# KiCad board ulx4m_panel.kicad_pcb (continued)
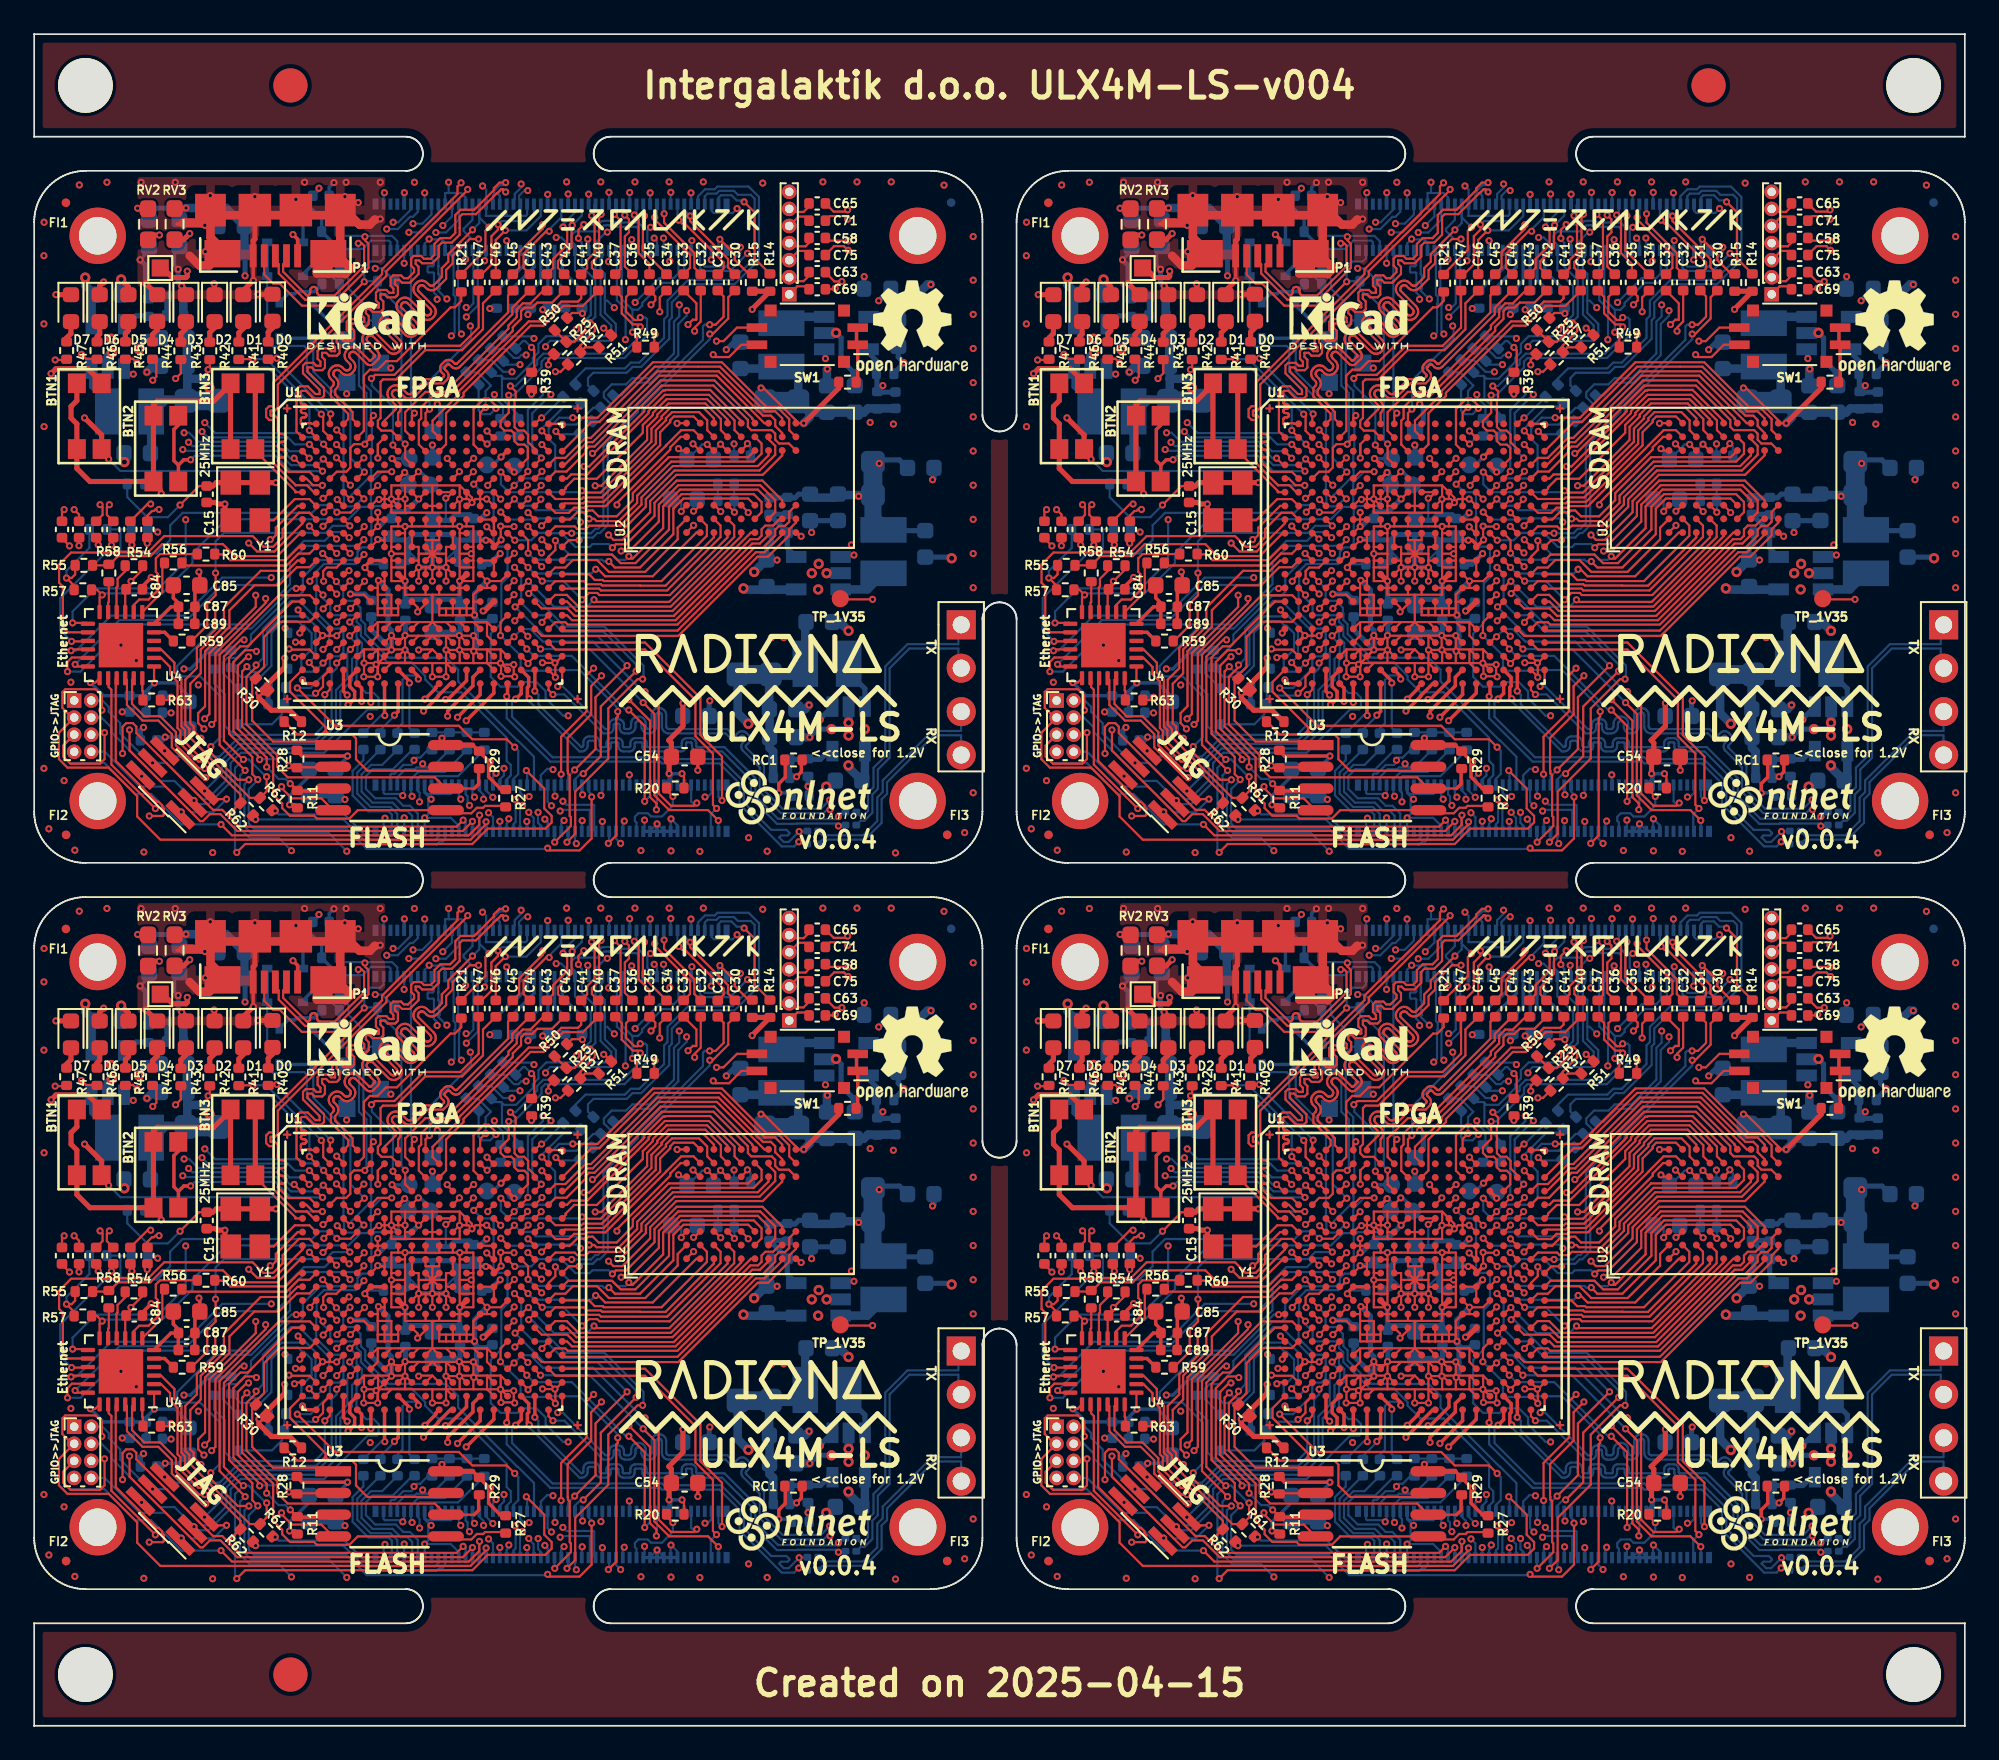
[diagram p0: board, top side]
## Routing (per net, layer and track width the routed paths; a pad name or vN(x,y) marks a point on that pad's centre or on a via; arc(x,y) is an arc through that point) (continued)
Board_1-/serdes/S_0_N: length 30.3
  Top w0.127: v1(61.26,69.12) 61.26,69.37 61.14,69.49 C67.1 61.19,69.54 61.33,69.4
  Top w0.2: U1#4.Y6 77.22,59.89 v1(77.22,59.89)
  In2signal.Cu w0.127: v1(77.22,59.89) 76.42,59.09 69.64,59.09 64.09,64.64 64.09,65.03 64.26,65.2 64.26,65.37 64.26,65.38 64.08,65.38 63.26,64.55 62.86,64.55 62.72,64.7 62.72,65.09 63.54,65.91 63.54,66.09 63.54,66.09 63.36,66.09 63.36,66.08 62.8,65.52 62.4,65.52 62.21,65.7 62.21,66.05 62.38,66.22 62.38,66.36 61.78,66.96 61.78,67.26 62.05,67.54 62.78,67.54 62.9,67.66 62.78,67.79 61.5,67.79 61.3,67.99 61.3,68.36 61.5,68.55 61.73,68.55 61.78,68.6 v1(61.26,69.12)
Board_1-/serdes/S_0_P: length 29
  Top w0.127: v1(62.03,69.11) 62.03,69.35 61.99,69.39 C61#2.2
  Top w0.2: U1#4.Y5 76.68,60.74 v1(76.68,59.96)
  In2signal.Cu w0.127: v1(76.68,59.96) 76.68,59.73 76.29,59.35 69.75,59.35 64.35,64.75 64.35,64.93 64.51,65.09 64.51,65.48 64.36,65.63 63.97,65.63 63.15,64.81 62.97,64.81 62.97,64.99 63.79,65.81 63.79,66.2 63.64,66.35 63.25,66.35 62.68,65.77 62.5,65.77 62.46,65.81 62.46,65.95 62.63,66.11 62.63,66.47 62.03,67.07 62.03,67.15 62.16,67.28 62.88,67.28 63.16,67.56 63.16,67.77 62.88,68.04 61.6,68.04 61.55,68.09 61.55,68.25 61.6,68.3 61.83,68.3 62.03,68.49 v1(62.03,69.11)
Board_1-/serdes/S_1_N: length 3.3
  Top w0.2: v1(78.6,59.15) 78.82,59.37 U1#4.Y8
  Bottom w0.127: v1(78.6,59.15) 78.6,59.11 77.78,58.29 C68#3.1
Board_1-/serdes/S_1_P: length 3.6
  Top w0.2: v1(78.04,59.13) 78.02,59.15 U1#4.Y7
  Bottom w0.127: v1(78.04,59.13) 77.81,59.13 C62#2.2
Board_1-/serdes/S_2_N: length 33.1
  Top w0.127: 63.11,69.26 63.14,69.29 C72.1 ; v1(63.23,69.12) 63.23,69.45 C72.1 ; C72.1 63.35,69.33
  Top w0.2: U1#4.W5 75.99,61.36 75.99,60.82 76.27,60.53 76.27,60.12 75.91,59.76 v1(75.88,59.76)
  In2signal.Cu w0.127: v1(63.23,69.12) 63.58,68.77 63.58,66.85 64.78,65.65 65.17,65.65 66.27,66.75 66.45,66.75 66.45,66.57 64.91,65.03 64.91,64.65 65.07,64.49 65.45,64.49 66.53,65.57 66.71,65.57 66.71,65.39 65.63,64.31 65.63,63.93 65.79,63.77 66.17,63.77 67.07,64.68 67.25,64.68 67.25,64.5 66.35,63.59 66.35,63.22 66.51,63.05 66.88,63.05 67.05,63.21 67.21,63.21 69.11,61.32 70.69,61.32 71.38,60.62 71.38,60.44 71.13,60.2 71.13,60.02 71.31,60.02 71.56,60.27 71.74,60.27 71.74,60.09 71.74,60.08 71.74,59.9 71.92,59.9 71.92,59.91 72.1,59.91 72.33,59.68 75.8,59.68 v1(75.88,59.76)
Board_1-/serdes/S_2_P: length 30.3
  Top w0.127: 63.96,69.36 C55#4.2 64.14,69.22 v1(64.13,69.21)
  Top w0.2: U1#4.W4 75.62,60.54 v1(75.83,60.32)
  In2signal.Cu w0.127: v1(64.13,69.21) 63.85,68.93 63.85,66.94 64.88,65.9 65.06,65.9 66.17,67 66.56,67 66.71,66.85 66.71,66.46 65.16,64.92 65.16,64.76 65.18,64.74 65.34,64.74 66.43,65.82 66.82,65.82 66.96,65.68 66.96,65.29 65.88,64.2 65.88,64.04 65.9,64.02 66.06,64.02 66.97,64.93 67.36,64.93 67.51,64.78 67.51,64.39 66.6,63.48 66.6,63.32 66.62,63.3 66.78,63.3 66.94,63.47 67.32,63.47 69.22,61.57 70.8,61.57 72.42,59.95 75.46,59.95 v1(75.83,60.32)
Board_1-/serdes/S_3_N: length 5
  Top w0.2: U1#4.W9 80,61.42 v1(80,61.26)
  Bottom w0.127: C73#3.1 78.78,58.38 79.07,58.67 79.07,61.21 79.33,61.47 79.79,61.47 v1(80,61.26)
Board_1-/serdes/S_3_P: length 4.5
  Top w0.2: v1(79.47,61.03) 79.47,61.14 U1#4.W8
  Bottom w0.127: 79.49,58.39 C56#2.2 79.47,58.4 v1(79.47,61.03)
Board_1-/serdes/S_4_N: length 2.9
  Top w0.2: v1(82.8,58.82) 84.42,60.44 U1#4.Y15
  Bottom w0.127: 82.81,58.82 v1(82.8,58.82)
Board_1-/serdes/S_4_P: length 2.5
  Top w0.2: v1(82.29,59.03) 83.62,60.36 U1#4.Y14
Board_1-/serdes/S_5_N: length 72
  Top w0.127: v1(105.13,88.17) 104.95,88.36 104.1,88.36 C71.1
  Top w0.2: U1#4.Y17 86.02,60.42 v1(85.69,60.09)
  In2signal.Cu w0.127: v1(105.13,88.17) 105.28,88.32 105.71,88.32 106.92,87.1 106.92,86.28 111.74,81.46 111.74,67.3 109.3,64.86 109.3,57.8 106.68,55.18 106.68,52.83 105.62,51.76 102.86,51.76 v1(102.29,52.34)
  Bottom w0.127: v1(85.69,60.09) 85.49,59.88 85.49,59.05 87.86,56.68 94.26,56.68 94.36,56.58 97.73,56.58 99.06,55.25 99.06,54.04 100.66,52.44 101.55,52.44 101.72,52.27 101.72,52.21 101.62,52.11 101.23,52.11 101.12,52 101.39,51.73 101.68,51.73 v1(102.29,52.34) 102.74,52.34 C93#3.2
Board_1-/serdes/S_5_P: length 71.7
  Top w0.127: C65#3.2 104.31,88.62 105.03,88.62 v1(105.13,88.72)
  Top w0.2: v1(85.17,60.25) 85.22,60.29 U1#4.Y16
  In2signal.Cu w0.127: v1(102.27,51.74) 102.5,51.51 105.72,51.51 106.94,52.72 106.94,55.07 109.56,57.69 109.56,64.75 112,67.19 112,81.57 107.18,86.39 107.18,87.21 105.81,88.57 105.28,88.57 v1(105.13,88.72)
  Bottom w0.127: C94.2 102.68,51.69 102.5,51.69 102.45,51.74 v1(102.27,51.74) 102,51.47 101.27,51.47 98.8,53.93 98.8,55.14 97.62,56.32 94.26,56.32 94.15,56.43 87.72,56.43 85.17,58.97 v1(85.17,60.25)
Board_1-/serdes/S_6_N: length 3.5
  Top w0.2: U1#4.W14 83.19,61.37 83.19,60.87 81.71,59.39 v1(81.71,59.09)
Board_1-/serdes/S_6_P: length 2.3
  Top w0.2: v1(81.59,60.07) 81.72,60.07 82.82,61.16 U1#4.W13
Board_1-/serdes/S_7_N: length 70.3
  Top w0.127: v1(105.16,86.35) 104.92,86.6 104.34,86.6 103.83,86.09 C75.1
  Top w0.2: v1(86.82,60.56) 86.82,60.56 U1#4.W18
  In2signal.Cu w0.127: v1(105.16,86.35) 105.29,86.49 105.65,86.49 106.59,85.54 106.63,85.49 106.66,85.44 106.67,85.38 106.67,85.31 106.66,85.25 106.63,85.19 106.55,85.1 106.52,85.04 106.51,84.98 106.51,84.91 106.52,84.85 106.55,84.8 106.59,84.75 106.62,84.72 106.67,84.68 106.72,84.65 106.78,84.64 106.85,84.64 106.91,84.65 106.97,84.68 107.07,84.76 107.12,84.79 107.18,84.8 107.25,84.8 107.31,84.79 107.37,84.76 107.42,84.72 107.93,84.21 107.95,84.18 107.96,84.15 107.97,84.11 107.97,84.08 107.96,84.04 107.95,84.01 107.93,83.98 107.53,83.58 107.47,83.51 107.43,83.43 107.41,83.34 107.41,83.24 107.43,83.15 107.47,83.07 107.53,83 107.56,82.96 107.64,82.91 107.72,82.87 107.81,82.84 107.9,82.84 107.99,82.87 108.08,82.91 108.15,82.96 108.55,83.36 108.57,83.38 108.61,83.4 108.64,83.41 108.68,83.41 108.71,83.4 108.75,83.38 108.78,83.36 111.19,80.95 111.19,70.24 110.47,69.52 110.47,67.36 108.2,65.09 108.2,57.54 105.94,55.28 105.94,53.53 105.46,53.05 104.75,53.05 v1(104.59,53.21)
  Bottom w0.127: v1(86.82,60.56) 87.03,60.35 87.03,59.79 89.54,57.28 89.56,57.28 89.59,57.29 89.61,57.31 89.63,57.33 89.65,57.35 89.66,57.37 89.66,57.4 89.66,57.55 89.67,57.63 89.69,57.7 89.74,57.77 89.79,57.83 89.86,57.87 89.94,57.9 90.01,57.91 90.26,57.91 90.34,57.9 90.41,57.87 90.48,57.83 90.54,57.77 90.58,57.7 90.6,57.63 90.61,57.55 90.61,57.4 90.62,57.37 90.63,57.35 90.64,57.33 90.66,57.31 90.68,57.29 90.71,57.28 90.74,57.28 90.94,57.28 90.95,57.28 90.97,57.29 90.98,57.29 90.99,57.31 91,57.32 91.01,57.34 91.01,57.35 91.01,57.5 91.02,57.57 91.04,57.63 91.08,57.69 91.13,57.74 91.18,57.78 91.25,57.8 91.32,57.81 91.66,57.81 91.72,57.8 91.79,57.78 91.85,57.74 91.9,57.69 91.93,57.63 91.96,57.57 91.96,57.5 91.96,57.35 91.97,57.34 91.97,57.32 91.98,57.31 91.99,57.29 92,57.29 92.02,57.28 92.04,57.28 92.34,57.28 92.35,57.28 92.37,57.29 92.38,57.29 92.39,57.31 92.4,57.32 92.41,57.34 92.41,57.35 92.41,57.5 92.42,57.57 92.44,57.63 92.48,57.69 92.53,57.74 92.58,57.78 92.65,57.8 92.72,57.81 93.06,57.81 93.12,57.8 93.19,57.78 93.25,57.74 93.3,57.69 93.33,57.63 93.36,57.57 93.36,57.5 93.36,57.35 93.37,57.34 93.37,57.32 93.38,57.31 93.39,57.29 93.4,57.29 93.42,57.28 93.44,57.28 95.34,57.28 95.36,57.28 95.37,57.29 95.39,57.29 95.4,57.31 95.41,57.32 95.41,57.34 95.42,57.35 95.42,57.5 95.42,57.57 95.45,57.63 95.48,57.69 95.53,57.74 95.59,57.78 95.66,57.8 95.72,57.81 95.96,57.81 96.03,57.8 96.1,57.78 96.15,57.74 96.2,57.69 96.24,57.63 96.26,57.57 96.27,57.5 96.27,57.35 96.27,57.34 96.28,57.32 96.29,57.31 96.3,57.29 96.31,57.29 96.33,57.28 96.34,57.28 97.92,57.28 99.73,55.47 99.73,54.41 101.05,53.08 102.64,53.08 102.66,53.06 104.44,53.06 v1(104.59,53.21) 104.86,53.48 C91#4.2
Board_1-/serdes/S_7_P: length 70.9
  Top w0.127: C58#2.2 103.99,86.92 105.16,86.92 v1(105.17,86.91)
  Top w0.2: U1#4.W17 86.46,61.36 86.46,60.85 86.38,60.77 86.38,60.22 v1(86.49,60.11)
  In2signal.Cu w0.127: v1(105.17,86.91) 105.33,86.75 105.78,86.75 108.14,84.39 108.2,84.31 108.24,84.23 108.26,84.14 108.26,84.05 108.24,83.96 108.2,83.88 108.14,83.8 107.74,83.4 107.72,83.38 107.7,83.34 107.69,83.31 107.69,83.27 107.7,83.24 107.72,83.2 107.74,83.18 107.77,83.15 107.8,83.14 107.84,83.13 107.87,83.13 107.91,83.14 107.94,83.15 107.97,83.18 108.37,83.57 108.44,83.63 108.52,83.67 108.61,83.69 108.71,83.69 108.8,83.67 108.88,83.63 108.95,83.57 111.44,81.08 111.44,70.13 110.73,69.41 110.73,67.25 108.46,64.99 108.46,57.44 106.2,55.17 106.2,53.42 105.55,52.78 104.7,52.78 v1(104.59,52.66)
  Bottom w0.127: v1(86.49,60.11) 86.49,59.96 89.43,57.02 89.56,57.02 89.64,57.03 89.71,57.06 89.78,57.1 89.84,57.16 89.88,57.23 89.9,57.3 89.91,57.38 89.91,57.53 89.92,57.56 89.93,57.58 89.94,57.61 89.96,57.63 89.98,57.64 90.01,57.65 90.04,57.65 90.24,57.65 90.26,57.65 90.29,57.64 90.31,57.63 90.33,57.61 90.35,57.58 90.36,57.56 90.36,57.53 90.36,57.38 90.37,57.3 90.39,57.23 90.44,57.16 90.49,57.1 90.56,57.06 90.64,57.03 90.71,57.02 90.96,57.02 91.02,57.03 91.09,57.06 91.15,57.09 91.2,57.14 91.23,57.2 91.26,57.26 91.26,57.33 91.26,57.48 91.27,57.5 91.27,57.51 91.28,57.52 91.29,57.54 91.3,57.54 91.32,57.55 91.34,57.55 91.64,57.55 91.65,57.55 91.67,57.54 91.68,57.54 91.69,57.52 91.7,57.51 91.71,57.5 91.71,57.48 91.71,57.33 91.72,57.26 91.74,57.2 91.78,57.14 91.83,57.09 91.88,57.06 91.95,57.03 92.02,57.02 92.36,57.02 92.42,57.03 92.49,57.06 92.55,57.09 92.6,57.14 92.63,57.2 92.66,57.26 92.66,57.33 92.66,57.48 92.67,57.5 92.67,57.51 92.68,57.52 92.69,57.54 92.7,57.54 92.72,57.55 92.74,57.55 93.04,57.55 93.05,57.55 93.07,57.54 93.08,57.54 93.09,57.52 93.1,57.51 93.11,57.5 93.11,57.48 93.11,57.33 93.12,57.26 93.14,57.2 93.18,57.14 93.23,57.09 93.28,57.06 93.35,57.03 93.42,57.02 95.36,57.02 95.43,57.03 95.5,57.06 95.55,57.09 95.6,57.14 95.64,57.2 95.66,57.26 95.67,57.33 95.67,57.48 95.67,57.5 95.68,57.51 95.69,57.52 95.7,57.54 95.71,57.54 95.73,57.55 95.74,57.55 95.94,57.55 95.96,57.55 95.97,57.54 95.99,57.54 96,57.52 96.01,57.51 96.01,57.5 96.02,57.48 96.02,57.33 96.02,57.26 96.05,57.2 96.08,57.14 96.13,57.09 96.19,57.06 96.26,57.03 96.32,57.02 97.78,57.02 99.47,55.33 99.47,54.31 100.99,52.79 102.16,52.79 102.19,52.81 104.44,52.81 v1(104.59,52.66) 104.64,52.72 C92#3.2
Board_1-/usb/D10_R4: length 1.6
  Bottom w0.2: D10#3.1 73.25,88.23 R4#3.1
Board_1-/usb/D11_R5: length 1.4
  Bottom w0.2: D11#3.2 73.25,84.96 73.69,85.4 R5#3.1
Board_1-/usb/D12_R6: length 2
  Bottom w0.2: R6#2.1 74.6,82.38 73.84,83.14 D12#4.1
Board_1-/usb/D13_R7: length 2.9
  Bottom w0.2: D13#3.2 72.37,83.81 72.77,83.81 72.89,83.94 73.91,83.94 R7.1
Board_1-BTN1: length 25.3
  Top w0.127: U1#4.E1 73.44,73 73.83,72.61 74.37,72.61 v1(74.38,72.6) ; v1(61.87,74.13) 61.87,74.31 BTN1#3.2
  Top w0.3: v1(58.5,79.14) 58.79,79.42 60.65,79.42 61.46,78.62 BTN1#3.2 ; BTN1#3.2 61.46,75.55 v1(60.46,76.55)
  In2signal.Cu w0.3: v1(58.5,79.14) 58.21,78.85 58.21,77.6 59.26,76.55 v1(60.46,76.55)
  Bottom w0.127: v1(74.38,72.6) 72.81,72.6 71.97,73.44 62.56,73.44 v1(61.87,74.13)
Board_1-BTN2: length 13.6
  Top w0.127: U1#4.D2 v1(74.39,73.43)
  Top w0.2: 65.95,73.78 65.95,72.83 BTN2#2.2 ; 65.95,73.78 65.69,74.05 65.69,75.87 65.95,76.12 BTN2#2.2 ; 65.95,73.78 66.27,74.1 v1(66.67,74.1)
  Bottom w0.127: v1(66.67,74.1) 66.9,74.33 71.63,74.33 72.53,73.43 v1(74.39,73.43)
Board_1-BTN3: length 7.8
  Top w0.127: 72.81,72.2 72.81,72.26 70.45,74.61 BTN3#4.2 ; 72.81,72.2 U1#4.F1 ; 72.81,72.2 72.79,72.22
  Top w0.3: BTN3#4.2 BTN3#4.2
Board_1-CAM0_C_N: length 31.9
  Top w0.127: U1#4.E2 73.63,73.39 72.4,73.39 71.77,74.01 71.78,74.06 71.8,74.11 71.82,74.15 71.86,74.19 71.9,74.21 71.95,74.23 72,74.24 72.05,74.24 72.1,74.24 72.15,74.26 72.19,74.29 72.22,74.32 72.25,74.37 72.27,74.41 72.27,74.46 72.27,74.51 72.25,74.56 72.22,74.61 72.19,74.64 72.15,74.67 72.1,74.69 72.05,74.69 72,74.69 71.95,74.7 71.9,74.71 71.86,74.74 71.82,74.78 71.8,74.82 71.78,74.87 71.77,74.92 71.78,74.97 71.8,75.02 71.82,75.06 71.86,75.1 71.9,75.12 71.95,75.14 72,75.15 72.05,75.15 72.1,75.15 72.15,75.17 72.19,75.19 72.22,75.23 72.25,75.27 72.27,75.32 72.27,75.37 72.27,75.42 72.25,75.47 72.22,75.51 72.19,75.55 72.15,75.58 72.1,75.59 72.05,75.6 72,75.6 71.95,75.61 71.9,75.62 71.86,75.65 71.82,75.68 71.8,75.73 71.78,75.78 71.77,75.83 71.77,76.51 71.6,76.68 71.37,76.68 71.35,76.7 71.35,76.95 71.37,76.97 71.6,76.97 71.77,77.15 71.77,78.5 78.13,84.86 78.13,85.13 82.89,89.89 v1(82.89,89.92)
  In2signal.Cu w0.127: v1(86.02,90.23) 86.02,90.03 85.04,89.05 83.97,89.05 83.94,89.06 83.94,89.05 82.46,89.05 82.24,89.28 82.24,89.47 82.68,89.92 v1(82.89,89.92)
  Bottom w0.127: J2#3.40 85.57,89.27 85.64,89.34 85.64,89.65 86.02,90.03 v1(86.02,90.23)
Board_1-CAM0_C_P: length 32.3
  Top w0.127: v1(82.5,90.3) 82.29,90.09 82.29,89.65 77.88,85.23 77.88,84.96 71.52,78.61 71.52,77.25 71.5,77.23 71.26,77.23 71.09,77.06 71.09,76.6 71.26,76.42 71.5,76.42 71.52,76.4 71.52,73.91 72.82,72.61 73.47,72.61 73.88,72.2 U1#4.F2
  In2signal.Cu w0.127: v1(82.5,90.3) 82.5,90.1 81.98,89.58 81.98,89.17 82.36,88.8 85.15,88.8 86.2,89.85 v1(86.4,89.85)
  Bottom w0.127: v1(86.4,89.85) 86.2,89.85 85.89,89.55 85.89,89.34 85.97,89.27 J2#3.42
Board_1-CAM0_D0_N: length 32.1
  Top w0.127: U1#4.A5 76.15,76.47 76.15,76.89 75.14,77.9 75.14,78.19 75.19,78.25 75.25,78.32 75.29,78.41 75.32,78.51 75.32,78.61 75.29,78.7 75.25,78.79 75.19,78.87 75.08,78.98 75.05,79.01 75.03,79.06 75.02,79.1 75.02,79.15 75.03,79.2 75.05,79.24 75.08,79.28 75.09,79.29 75.13,79.32 75.17,79.34 75.22,79.35 75.27,79.35 75.31,79.34 75.36,79.32 75.4,79.29 75.5,79.18 75.58,79.12 75.67,79.08 75.77,79.06 75.87,79.06 75.96,79.08 76.05,79.12 76.13,79.18 76.18,79.24 76.24,79.31 76.29,79.41 76.31,79.5 76.31,79.6 76.29,79.7 76.24,79.79 76.18,79.87 76.01,80.04 75.98,80.08 75.96,80.12 75.95,80.17 75.95,80.22 75.96,80.27 75.98,80.31 76.01,80.35 76.05,80.38 76.1,80.41 76.15,80.42 76.2,80.42 76.24,80.41 76.29,80.38 76.33,80.35 76.96,79.72 77.01,79.68 77.07,79.65 77.14,79.64 77.21,79.64 77.27,79.65 77.33,79.68 77.38,79.72 77.63,79.97 77.68,80.02 77.71,80.09 77.72,80.15 77.72,80.22 77.71,80.28 77.68,80.34 77.63,80.4 77.63,80.43 76.98,81.08 76.97,81.13 76.97,81.18 76.98,81.22 77.01,81.27 77.04,81.31 77.08,81.34 77.12,81.36 77.17,81.37 77.22,81.37 77.27,81.36 77.31,81.34 77.35,81.31 78.23,80.43 78.31,80.37 78.4,80.32 78.5,80.3 78.6,80.3 78.7,80.32 78.79,80.37 78.87,80.43 78.91,80.47 78.97,80.55 79.01,80.64 79.04,80.73 79.04,80.84 79.01,80.93 78.97,81.02 78.91,81.1 78.91,81.11 78.03,81.99 78.01,82.03 78,82.08 78,82.13 78.01,82.18 78.03,82.22 78.06,82.26 78.07,82.27 78.11,82.3 78.15,82.32 78.2,82.33 78.24,82.33 78.29,82.32 78.33,82.3 78.37,82.27 79.22,81.42 79.3,81.36 79.39,81.31 79.49,81.29 79.59,81.29 79.69,81.31 79.78,81.36 79.86,81.42 79.9,81.46 79.96,81.54 80,81.63 80.03,81.72 80.03,81.83 80,81.92 79.96,82.01 79.9,82.09 79.9,82.12 79,83.02 78.99,83.07 78.99,83.12 79,83.17 79.02,83.21 79.05,83.25 79.06,83.26 79.1,83.29 79.14,83.31 79.19,83.32 79.23,83.32 79.28,83.31 79.32,83.29 79.36,83.26 80.21,82.41 80.29,82.35 80.38,82.3 80.48,82.28 80.58,82.28 80.68,82.3 80.77,82.35 80.85,82.41 80.89,82.45 80.95,82.53 80.99,82.62 81.02,82.71 81.02,82.82 80.99,82.91 80.95,83 80.89,83.08 80.89,83.09 80,83.97 79.99,83.99 79.98,84.02 79.98,84.11 79.99,84.16 80.01,84.2 80.04,84.24 80.05,84.25 80.09,84.28 80.13,84.3 80.18,84.31 80.22,84.31 80.27,84.3 80.31,84.28 80.35,84.25 80.46,84.14 80.54,84.08 80.63,84.04 80.72,84.01 80.82,84.01 80.92,84.04 81.01,84.08 81.08,84.14 81.63,84.68 81.63,85.2 82.01,85.58 82.01,86.02 83,87.01 v1(83.53,87.01)
  Bottom w0.127: J2#3.28 83.17,88.13 82.65,87.61 82.65,87.49 83.12,87.01 v1(83.53,87.01)
Board_1-CAM0_D0_P: length 36.1
  Top w0.127: v1(83.17,87.55) 82.47,86.85 82.47,86.84 81.75,86.13 81.75,85.69 81.37,85.31 81.37,84.79 80.92,84.34 80.89,84.31 80.84,84.29 80.8,84.28 80.75,84.28 80.7,84.29 80.66,84.31 80.62,84.34 80.51,84.45 80.44,84.51 80.35,84.55 80.25,84.57 80.15,84.57 80.06,84.55 79.97,84.51 79.89,84.45 79.84,84.4 79.78,84.32 79.73,84.23 79.71,84.13 79.71,84.04 79.73,83.94 79.78,83.85 79.84,83.77 80.69,82.92 80.72,82.88 80.74,82.84 80.75,82.79 80.75,82.74 80.74,82.69 80.72,82.65 80.69,82.61 80.65,82.58 80.6,82.55 80.56,82.54 80.51,82.54 80.46,82.55 80.41,82.58 80.37,82.61 79.52,83.46 79.45,83.52 79.36,83.56 79.26,83.58 79.16,83.58 79.07,83.56 78.98,83.52 78.9,83.46 78.85,83.41 78.79,83.33 78.74,83.24 78.72,83.14 78.72,83.05 78.74,82.95 78.79,82.86 78.85,82.78 79.7,81.93 79.73,81.89 79.75,81.85 79.76,81.8 79.76,81.75 79.75,81.7 79.73,81.66 79.7,81.62 79.66,81.59 79.61,81.56 79.57,81.55 79.52,81.55 79.47,81.56 79.42,81.59 79.38,81.62 78.53,82.47 78.46,82.53 78.37,82.57 78.27,82.59 78.17,82.59 78.08,82.57 77.99,82.53 77.91,82.47 77.86,82.42 77.8,82.34 77.75,82.25 77.73,82.15 77.73,82.06 77.75,81.96 77.8,81.87 77.86,81.79 78.71,80.94 78.74,80.9 78.76,80.86 78.77,80.81 78.77,80.76 78.76,80.71 78.74,80.67 78.71,80.63 78.67,80.6 78.62,80.57 78.58,80.56 78.53,80.56 78.48,80.57 78.43,80.6 78.39,80.63 77.51,81.51 77.43,81.57 77.34,81.61 77.25,81.64 77.15,81.64 77.05,81.61 76.96,81.57 76.88,81.51 76.84,81.47 76.78,81.39 76.73,81.3 76.71,81.2 76.71,81.1 76.73,81 76.78,80.91 76.84,80.83 77.44,80.23 77.45,80.22 77.46,80.2 77.46,80.19 77.46,80.18 77.46,80.16 77.45,80.15 77.44,80.14 77.22,79.91 77.21,79.9 77.19,79.9 77.18,79.9 77.16,79.9 77.15,79.9 77.14,79.9 77.13,79.91 76.49,80.55 76.41,80.62 76.32,80.66 76.22,80.68 76.12,80.68 76.02,80.66 75.93,80.62 75.85,80.55 75.81,80.51 75.75,80.43 75.71,80.34 75.68,80.25 75.68,80.15 75.71,80.05 75.75,79.96 75.81,79.88 75.98,79.71 76.01,79.67 76.03,79.63 76.04,79.58 76.04,79.53 76.03,79.48 76.01,79.43 75.98,79.4 75.97,79.38 75.93,79.35 75.89,79.33 75.84,79.32 75.79,79.32 75.75,79.33 75.7,79.35 75.66,79.38 75.56,79.49 75.48,79.55 75.39,79.6 75.29,79.62 75.19,79.62 75.1,79.6 75.01,79.55 74.93,79.49 74.88,79.44 74.82,79.36 74.78,79.27 74.75,79.18 74.75,79.08 74.78,78.98 74.82,78.89 74.88,78.82 74.99,78.71 75.02,78.67 75.04,78.63 75.05,78.58 75.05,78.53 75.04,78.49 75.02,78.44 74.99,78.41 74.88,78.3 74.88,77.79 75.89,76.78 75.89,76.47 U1#4.A4 ; v1(84.14,87.7) 83.93,87.5 83.93,86.38 82.51,84.96 R21.1
  Bottom w0.127: v1(83.17,87.55) 83.57,87.95 J2#3.30 83.57,88.27 v1(84.14,87.7)
Board_1-CAM0_D1_N: length 32
  Top w0.127: v1(85.11,90.31) 84.75,90.31 84.42,89.99 84.42,89.88 83.37,88.83 83.27,88.73 82.47,88.73 82.16,88.42 82.16,87.37 81.86,87.07 81.28,87.07 80.94,86.73 80.94,86.09 80.71,85.86 80.53,85.86 80.53,85.86 80.33,85.86 80.16,86.03 79.74,86.03 79.58,85.87 79.58,85.45 79.75,85.28 79.75,85.08 79.39,84.72 79.15,84.72 78.98,84.89 78.53,84.89 78.37,84.73 78.37,84.28 78.54,84.11 78.54,83.87 78.54,83.86 78.3,83.86 78.13,84.03 77.67,84.03 77.52,83.88 77.52,83.42 77.69,83.25 77.69,83.01 77.68,83.01 77.45,83.01 77.28,83.18 76.82,83.18 76.66,83.02 76.66,82.57 76.83,82.4 76.83,82.16 76.83,82.16 76.59,82.16 76.42,82.33 75.97,82.33 75.81,82.17 75.81,81.71 75.98,81.54 75.98,81.3 75.98,81.3 75.74,81.3 75.57,81.47 75.11,81.47 74.95,81.31 74.95,80.86 75.12,80.69 75.12,80.45 75.12,80.45 74.88,80.45 74.71,80.62 74.26,80.62 74.1,80.46 74.1,80 74.27,79.83 74.27,79.6 74.03,79.6 73.86,79.77 73.41,79.77 73.25,79.61 73.25,79.15 74.22,78.18 74.22,77.94 73.98,77.94 73.53,78.39 73.07,78.39 72.87,78.19 72.87,75.75 U1#4.B1
  Bottom w0.127: J2#3.34 84.37,89.55 84.44,89.62 84.44,89.84 84.77,90.17 84.96,90.17 v1(85.11,90.31)
Board_1-CAM0_D1_P: length 32
  Top w0.127: v1(85.11,89.77) 84.94,89.94 84.85,89.94 84.61,89.7 84.6,89.7 83.37,88.47 82.57,88.47 82.42,88.32 82.42,87.67 82.42,87.67 82.42,87.26 81.96,86.81 81.38,86.81 81.2,86.62 81.2,85.98 80.81,85.59 80.22,85.59 80.05,85.76 79.85,85.76 79.84,85.76 79.84,85.56 80.01,85.39 80.01,84.97 79.5,84.46 79.04,84.46 78.88,84.63 78.64,84.63 78.63,84.62 78.63,84.38 78.8,84.21 78.8,83.76 78.65,83.6 78.19,83.6 78.02,83.77 77.78,83.77 77.78,83.77 77.78,83.53 77.95,83.36 77.95,82.9 77.79,82.75 77.34,82.75 77.17,82.92 76.93,82.92 76.93,82.91 76.93,82.68 77.09,82.51 77.09,82.05 76.94,81.89 76.48,81.89 76.31,82.06 76.07,82.06 76.07,82.06 76.07,81.82 76.24,81.65 76.24,81.2 76.08,81.04 75.63,81.04 75.46,81.21 75.22,81.21 75.22,81.21 75.22,80.97 75.39,80.8 75.39,80.34 75.23,80.18 74.77,80.18 74.6,80.35 74.37,80.35 74.36,80.35 74.36,80.11 74.53,79.94 74.53,79.49 74.38,79.33 73.92,79.33 73.75,79.5 73.51,79.5 73.51,79.5 73.51,79.26 74.48,78.29 74.48,77.83 74.33,77.68 73.87,77.68 73.42,78.13 73.18,78.13 73.12,78.07 73.12,77.46 73.12,77.43 73.13,77.41 73.15,77.38 73.17,77.36 73.19,77.35 73.22,77.34 73.25,77.34 73.32,77.34 73.35,77.33 73.38,77.32 73.4,77.31 73.42,77.29 73.44,77.26 73.45,77.24 73.45,77.21 73.45,77.18 73.44,77.15 73.42,77.13 73.4,77.11 73.38,77.09 73.35,77.08 73.32,77.08 73.25,77.08 73.22,77.08 73.19,77.07 73.17,77.05 73.15,77.03 73.13,77.01 73.12,76.98 73.12,76.95 73.12,76.93 73.13,76.9 73.15,76.87 73.17,76.85 73.19,76.84 73.22,76.83 73.25,76.83 73.32,76.83 73.35,76.82 73.38,76.81 73.4,76.8 73.42,76.78 73.44,76.76 73.45,76.73 73.45,76.7 73.45,76.67 73.44,76.64 73.42,76.62 73.4,76.6 73.38,76.59 73.35,76.58 73.32,76.57 73.25,76.57 73.22,76.57 73.19,76.56 73.17,76.55 73.15,76.53 73.13,76.5 73.12,76.47 73.12,76.45 73.12,76.21 73.17,76.16 73.31,76.16 73.39,76.24 73.72,76.24 73.76,76.2 U1#4.A2
  Bottom w0.127: J2#3.36 84.77,89.55 84.7,89.62 84.7,89.73 84.88,89.91 84.96,89.91 v1(85.11,89.77)
Board_1-CAM1_C_N: length 20.3
  Top w0.127: v1(74.42,71.84) 74.46,71.84 U1#4.F3
  In2signal.Cu w0.127: v1(74.42,71.84) 74.42,71.96 74.8,72.34 74.8,73.2 74.81,73.2 74.81,73.21 74.81,73.22 74.81,73.24 74.81,73.25 74.81,73.26 74.79,73.27 74.79,73.28 74.79,73.3 74.79,73.31 74.79,73.32 74.79,73.33 74.8,73.34 74.91,73.45 74.92,73.45 74.93,73.46 74.94,73.46 74.95,73.46 74.96,73.46 74.97,73.45 74.99,73.44 75,73.43 75.01,73.43 75.02,73.43 75.03,73.43 75.04,73.44 75.05,73.45 75.16,73.55 75.17,73.56 75.17,73.57 75.17,73.58 75.17,73.6 75.17,73.61 75.17,73.62 75.15,73.63 75.15,73.64 75.14,73.65 75.14,73.67 75.15,73.68 75.15,73.69 75.16,73.7 75.27,73.8 75.28,73.81 75.29,73.82 75.3,73.82 75.31,73.82 75.32,73.82 75.33,73.81 75.35,73.8 75.36,73.79 75.37,73.79 75.38,73.79 75.39,73.79 75.4,73.8 75.41,73.8 75.93,74.32 75.92,74.35 75.91,74.38 75.9,74.4 75.88,74.42 75.85,74.44 75.83,74.45 75.8,74.45 75.61,74.45 75.58,74.45 75.55,74.46 75.53,74.48 75.51,74.5 75.49,74.52 75.48,74.55 75.48,74.58 75.48,74.6 75.49,74.63 75.51,74.65 75.53,74.67 75.55,74.69 75.58,74.7 75.61,74.7 75.8,74.7 75.83,74.71 75.85,74.71 75.88,74.73 75.9,74.75 75.91,74.77 75.92,74.8 75.93,74.83 75.93,75.32 76.89,76.28 77.56,76.28 79.98,78.7 79.98,80.48 82.5,83.01 v1(82.8,83.01)
  Bottom w0.127: J2#3.27 83.22,86.29 83.22,83.25 82.98,83.01 v1(82.8,83.01)
Board_1-CAM1_C_P: length 20.3
  Top w0.127: v1(74.47,71.03) 74.47,71.04 U1#4.G3
  In2signal.Cu w0.127: v1(82.81,82.45) 82.32,82.45 80.23,80.37 80.23,78.6 77.66,76.03 76.99,76.03 76.2,75.24 76.2,74.24 75.06,73.1 75.06,72.24 74.84,72.02 74.84,71.4 v1(74.47,71.03)
  Bottom w0.127: v1(82.81,82.45) 83.48,83.12 83.48,86.25 J2#3.29
Board_1-CAM1_D0_N: length 19.3
  Top w0.127: v1(75.22,75.84) 75.62,75.44 U1#4.B4
  In2signal.Cu w0.127: v1(75.22,75.84) 75.57,75.84 76.11,76.38 76.13,76.42 76.15,76.46 76.16,76.5 76.16,76.54 76.15,76.58 76.13,76.62 76.11,76.66 75.89,76.88 75.83,76.95 75.79,77.04 75.77,77.13 75.77,77.23 75.79,77.32 75.83,77.41 75.89,77.48 75.93,77.52 76,77.58 76.09,77.62 76.18,77.64 76.28,77.64 76.37,77.62 76.46,77.58 76.53,77.52 76.75,77.3 76.79,77.28 76.82,77.26 76.87,77.25 76.91,77.25 76.95,77.26 76.99,77.28 77.03,77.3 77.1,77.37 77.13,77.37 78.22,78.46 78.28,78.51 78.34,78.54 78.41,78.55 78.48,78.55 78.55,78.54 78.61,78.51 78.66,78.46 78.77,78.36 78.78,78.35 78.79,78.34 78.81,78.34 78.83,78.34 78.84,78.34 78.85,78.35 78.87,78.36 78.97,78.46 78.98,78.48 78.99,78.49 78.99,78.5 78.99,78.52 78.99,78.53 78.98,78.55 78.97,78.56 78.87,78.67 78.82,78.72 78.79,78.78 78.78,78.85 78.78,78.92 78.79,78.99 78.82,79.05 78.87,79.11 78.88,79.12 78.88,79.12 78.88,80.35 79.56,81.03 79.58,81.06 79.6,81.08 79.61,81.12 79.61,81.15 79.6,81.18 79.58,81.21 79.56,81.23 79.35,81.45 79.3,81.52 79.26,81.59 79.24,81.68 79.24,81.76 79.26,81.85 79.3,81.92 79.35,81.99 79.38,82.02 79.45,82.08 79.53,82.11 79.61,82.13 79.7,82.13 79.78,82.11 79.86,82.08 79.92,82.02 80.14,81.81 80.16,81.79 80.19,81.77 80.22,81.77 80.26,81.77 80.29,81.77 80.32,81.79 80.34,81.81 80.36,81.83 80.38,81.86 80.38,81.89 80.38,81.93 80.38,81.96 80.36,81.99 80.34,82.01 80.13,82.23 80.07,82.29 80.04,82.37 80.02,82.45 80.02,82.54 80.04,82.62 80.07,82.7 80.13,82.77 80.16,82.8 80.23,82.85 80.3,82.89 80.39,82.91 80.47,82.91 80.56,82.89 80.63,82.85 80.7,82.8 80.92,82.59 80.94,82.57 80.97,82.55 81,82.54 81.03,82.54 81.07,82.55 81.09,82.57 81.12,82.59 81.45,82.92 81.45,83.14 v1(81.1,83.49)
  Bottom w0.127: J2#3.15 80.77,85.85 80.91,85.71 80.91,85.49 80.84,85.42 80.58,85.42 80.54,85.38 80.54,85.11 80.59,85.06 80.87,85.06 80.91,85.02 80.91,83.88 81.1,83.69 v1(81.1,83.49)
Board_1-CAM1_D0_P: length 20.4
  Top w0.127: v1(75.21,74.99) 75.6,74.6 U1#4.C4
  In2signal.Cu w0.127: v1(75.21,74.99) 75.42,75.2 75.42,75.33 76.29,76.2 76.31,76.22 76.37,76.29 76.41,76.38 76.43,76.47 76.43,76.57 76.41,76.66 76.37,76.75 76.31,76.82 76.09,77.04 76.07,77.08 76.05,77.11 76.04,77.16 76.04,77.2 76.05,77.24 76.07,77.28 76.09,77.32 76.13,77.34 76.17,77.36 76.21,77.37 76.25,77.37 76.29,77.36 76.33,77.34 76.37,77.32 76.59,77.1 76.66,77.04 76.75,77 76.84,76.98 76.94,76.98 77.03,77 77.12,77.04 77.19,77.1 77.21,77.12 77.21,77.12 77.25,77.12 78.39,78.26 78.41,78.27 78.42,78.28 78.43,78.28 78.45,78.28 78.47,78.28 78.48,78.27 78.49,78.26 78.6,78.16 78.65,78.12 78.71,78.08 78.78,78.07 78.85,78.07 78.92,78.08 78.98,78.12 79.04,78.16 79.17,78.29 79.21,78.35 79.25,78.41 79.26,78.48 79.26,78.55 79.25,78.61 79.21,78.68 79.17,78.73 79.07,78.84 79.06,78.85 79.05,78.86 79.05,78.88 79.05,78.9 79.05,78.91 79.06,78.92 79.07,78.94 79.14,79.01 79.14,79.64 79.14,79.67 79.15,79.7 79.16,79.72 79.18,79.74 79.21,79.76 79.24,79.76 79.26,79.77 79.56,79.77 79.59,79.77 79.62,79.78 79.64,79.8 79.66,79.82 79.67,79.84 79.68,79.87 79.69,79.89 79.68,79.92 79.67,79.95 79.66,79.97 79.64,79.99 79.62,80.01 79.59,80.02 79.56,80.02 79.26,80.02 79.24,80.03 79.21,80.03 79.18,80.05 79.16,80.07 79.15,80.09 79.14,80.12 79.14,80.15 79.14,80.23 79.77,80.86 79.82,80.93 79.86,81.01 79.88,81.09 79.88,81.18 79.86,81.26 79.82,81.34 79.77,81.4 79.55,81.62 79.53,81.64 79.52,81.67 79.51,81.7 79.51,81.74 79.52,81.77 79.53,81.8 79.55,81.82 79.58,81.84 79.61,81.86 79.64,81.86 79.67,81.86 79.7,81.86 79.73,81.84 79.75,81.82 79.97,81.61 80.04,81.55 80.11,81.52 80.2,81.5 80.28,81.5 80.37,81.52 80.44,81.55 80.51,81.61 80.54,81.64 80.6,81.71 80.63,81.78 80.65,81.87 80.65,81.95 80.63,82.04 80.6,82.11 80.54,82.18 80.33,82.4 80.31,82.42 80.29,82.45 80.29,82.48 80.29,82.51 80.29,82.55 80.31,82.57 80.33,82.6 80.35,82.62 80.38,82.63 80.41,82.64 80.45,82.64 80.48,82.63 80.51,82.62 80.53,82.6 80.75,82.38 80.81,82.33 80.89,82.29 80.98,82.27 81.06,82.27 81.14,82.29 81.22,82.33 81.29,82.38 81.76,82.86 81.76,83.41 v1(81.67,83.51)
  Bottom w0.127: J2#3.17 81.17,85.9 81.17,85.87 81.17,85.45 81.18,85.45 81.17,85.42 81.17,85.39 81.17,85 81.17,84.98 81.18,84.95 81.2,84.92 81.22,84.9 81.24,84.89 81.24,84.61 81.22,84.6 81.2,84.58 81.18,84.55 81.17,84.52 81.17,84.5 81.17,84.47 81.18,84.44 81.2,84.42 81.22,84.4 81.24,84.38 81.24,84.1 81.22,84.09 81.2,84.07 81.18,84.04 81.17,84.02 81.17,83.99 81.65,83.51 v1(81.67,83.51)
Board_1-CAM1_D1_N: length 21.4
  Top w0.127: v1(76.81,74.21) 76.42,73.82 U1#4.D5
  In2signal.Cu w0.127: v1(76.81,74.21) 76.81,74.33 77.33,74.84 77.34,74.86 77.35,74.87 77.35,74.89 77.35,74.9 77.35,74.92 77.34,74.93 77.32,74.96 77.31,74.97 77.31,74.99 77.31,75 77.31,75.02 77.32,75.03 77.33,75.05 77.41,75.12 77.42,75.13 77.44,75.14 77.45,75.14 77.47,75.14 77.48,75.14 77.5,75.13 77.52,75.11 77.54,75.11 77.55,75.1 77.57,75.1 77.58,75.11 77.6,75.11 77.61,75.12 77.69,75.2 77.71,75.23 77.72,75.25 77.72,75.28 77.72,75.31 77.72,75.34 77.71,75.36 77.69,75.38 77.52,75.55 77.5,75.57 77.49,75.6 77.48,75.63 77.48,75.66 77.49,75.68 77.5,75.71 77.52,75.73 77.54,75.75 77.57,75.76 77.6,75.77 77.62,75.77 77.65,75.76 77.68,75.75 77.7,75.73 77.87,75.56 77.89,75.55 77.92,75.53 77.94,75.53 77.97,75.53 78,75.53 78.03,75.55 78.05,75.56 78.07,75.59 78.08,75.61 78.08,75.64 78.08,75.67 78.08,75.69 78.07,75.72 78.05,75.74 78.02,75.77 78,75.79 77.99,75.82 77.98,75.84 77.98,75.87 77.99,75.9 78,75.93 78.02,75.95 78.04,75.97 78.07,75.98 78.1,75.99 78.12,75.99 78.15,75.98 78.18,75.97 78.2,75.95 78.23,75.92 78.25,75.9 78.28,75.89 78.3,75.89 78.33,75.89 78.36,75.89 78.38,75.9 78.41,75.92 78.41,75.92 80.66,75.92 81.56,76.82 81.56,78 80.85,78.71 80.85,78.97 80.79,79.03 80.79,79.03 80.71,79.1 80.66,79.16 80.63,79.24 80.61,79.31 80.61,79.39 80.63,79.47 80.66,79.54 80.71,79.6 80.76,79.65 80.82,79.7 80.89,79.73 80.97,79.75 81.05,79.75 81.12,79.73 81.19,79.7 81.26,79.65 81.8,79.1 81.82,79.09 81.85,79.07 81.87,79.07 81.9,79.07 81.92,79.07 81.95,79.09 81.97,79.1 81.98,79.12 82,79.14 82.01,79.16 82.02,79.19 82.02,79.21 82.01,79.24 82,79.26 81.98,79.28 81.72,79.55 81.72,79.55 81.44,79.83 81.39,79.89 81.36,79.97 81.34,80.04 81.34,80.12 81.36,80.2 81.39,80.27 81.44,80.33 81.49,80.38 81.55,80.43 81.62,80.46 81.7,80.48 81.78,80.48 81.85,80.46 81.92,80.43 81.99,80.38 82.09,80.27 82.11,80.26 82.14,80.24 82.16,80.24 82.19,80.24 82.21,80.24 82.24,80.26 82.26,80.27 82.26,80.27 82.26,81.02 v1(81.93,81.35)
  Bottom w0.127: J2#3.21 82.06,86.25 82.06,83.74 82.16,83.64 82.16,83.27 82.12,83.22 82.12,81.54 v1(81.93,81.35)
Board_1-CAM1_D1_P: length 22.3
  Top w0.127: v1(76.02,72.61) 75.63,73 U1#4.E4
  In2signal.Cu w0.127: v1(82.52,81.46) 82.52,80.17 82.44,80.09 82.44,80.09 82.43,80.07 82.36,80.02 82.29,79.99 82.22,79.97 82.14,79.97 82.06,79.99 81.99,80.02 81.93,80.07 81.82,80.18 81.8,80.2 81.77,80.21 81.75,80.21 81.72,80.21 81.7,80.21 81.67,80.2 81.65,80.18 81.64,80.16 81.62,80.14 81.61,80.12 81.61,80.1 81.61,80.07 81.61,80.04 81.62,80.02 81.64,80 81.9,79.73 81.9,79.73 82.18,79.45 82.23,79.39 82.27,79.32 82.28,79.24 82.28,79.16 82.27,79.08 82.23,79.01 82.18,78.95 82.14,78.9 82.07,78.85 82,78.82 81.93,78.8 81.85,78.8 81.77,78.82 81.7,78.85 81.64,78.9 81.09,79.45 81.07,79.47 81.04,79.48 81.02,79.48 80.99,79.48 80.97,79.48 80.94,79.47 80.92,79.45 80.91,79.43 80.89,79.41 80.88,79.39 80.88,79.37 80.88,79.34 80.88,79.31 80.89,79.29 80.91,79.27 81.02,79.16 81.07,79.1 81.1,79.03 81.12,78.95 81.12,78.78 81.8,78.1 81.8,76.72 80.76,75.68 78.54,75.68 77.23,74.37 77.23,73.82 76.98,73.82 76.94,73.78 76.48,73.78 76.43,73.73 76.43,73.02 v1(76.02,72.61)
  Bottom w0.127: J2#3.23 82.32,86.3 82.32,83.85 82.42,83.75 82.42,83.15 82.38,83.11 82.38,81.6 v1(82.52,81.46)
Board_1-Camera_GPIO: length 18.4
  Top w0.127: v1(97.45,53.69) 97.24,53.9 97.24,56.89 96.22,57.92 96.22,60.04 93.27,62.99 88.03,62.99 U1#4.U19
  Bottom w0.127: v1(97.45,53.69) 97.12,53.35 97.12,52.39 J1#4.97
Board_1-CLK_25MHz: length 4
  Top w0.127: U1#4.G2 73.62,71.79 72.77,71.79 71.53,70.56 Y1#4.3
Board_1-CM4_1.8V: length 0.4
  Bottom w0.127: J1#4.88 J1#4.90
Board_1-CM4_3.3V: length 246.7
  Top w0.127: U1#4.H14 U1#4.H15 U1#4.J15 84.38,69.8 v1(84.01,70.17) ; U2#3.C7 97.27,74.64 v1(96.91,75) ; v3(81.61,71.85) 81.67,71.85 U1#4.F12 U1#4.F11 ; v3(95.43,55.72) 95.55,55.61 R20#4.2 ; U1#4.P9 79.96,65.46 v3(79.96,65.2) 80.42,65.66 U1#4.P10 ; v1(96.11,71.09) 96.15,71.09 U2#3.B3 ; R54#2.2 63.86,67.67 v1(63.17,66.98) 63.17,66.8 C84#3.1 62.84,66.47 U4#2.9 ; U2#3.E7 99.26,75 v1(99.26,75.04) ; v1(98.5,71.03) 98.5,71.04 U2#3.D3 ; U1#4.M15 U1#4.L15 ; U1#4.L15 84.42,68.23 v1(84.79,68.6) ; U1#4.L15 U1#4.L14 ; R55.1 59.91,67.39 59.7,67.18 v1(59.4,67.18) 59.85,66.73 R57#2.1 ; v3(66.05,71.45) 67.16,72.56 C15.1 ; v1(74.39,63.81) 74.4,63.8 74.82,63.8 ; v1(74.39,63.81) 74.39,63.83 U1#4.T2 ; v1(74.39,63.81) 74.43,63.81 74.43,63.81 ; v3(81.38,57.81) 81.38,57.63 U3#2.8 ; v1(84.21,56.4) 84.21,56.35 84.1,56.24 ; U1#4.T4 v1(75.22,63.8) 74.82,63.8 ; U2#3.A9 95.16,76.24 v1(95.15,76.23) ; v3(76.87,67.79) 77.22,67.44 U1#4.M6 ; v3(100.06,78.3) 100.21,78.3 102.1,76.41 U2#3.J9 v1(102.56,76.24) ; U2#3.A7 95.34,74.64 v1(95.23,74.74) ; U1#4.T3 74.82,63.8 ; 74.45,63.83 74.42,63.86 ; 94.74,56.72 C54#3.1 ; J3#4.2 v1(63.8,55.58)
  Top w0.2: 72.89,57.06 73.2,56.76 v3(75.85,56.76) ; 83.18,57.4 84.18,56.4 v1(84.21,56.4) ; U1#4.L7 U1#4.L6 76.87,67.85 v3(76.87,67.79) ; 84.13,56.22 84.11,56.2 84.11,55.53 84.88,54.77 85.11,54.77 ; U1#4.U2 74.02,63.44 v1(74.39,63.81) ; v3(72.46,53.9) 72.76,53.9 72.92,53.75